# KiCad board gd rev3b.kicad_pcb (continued)
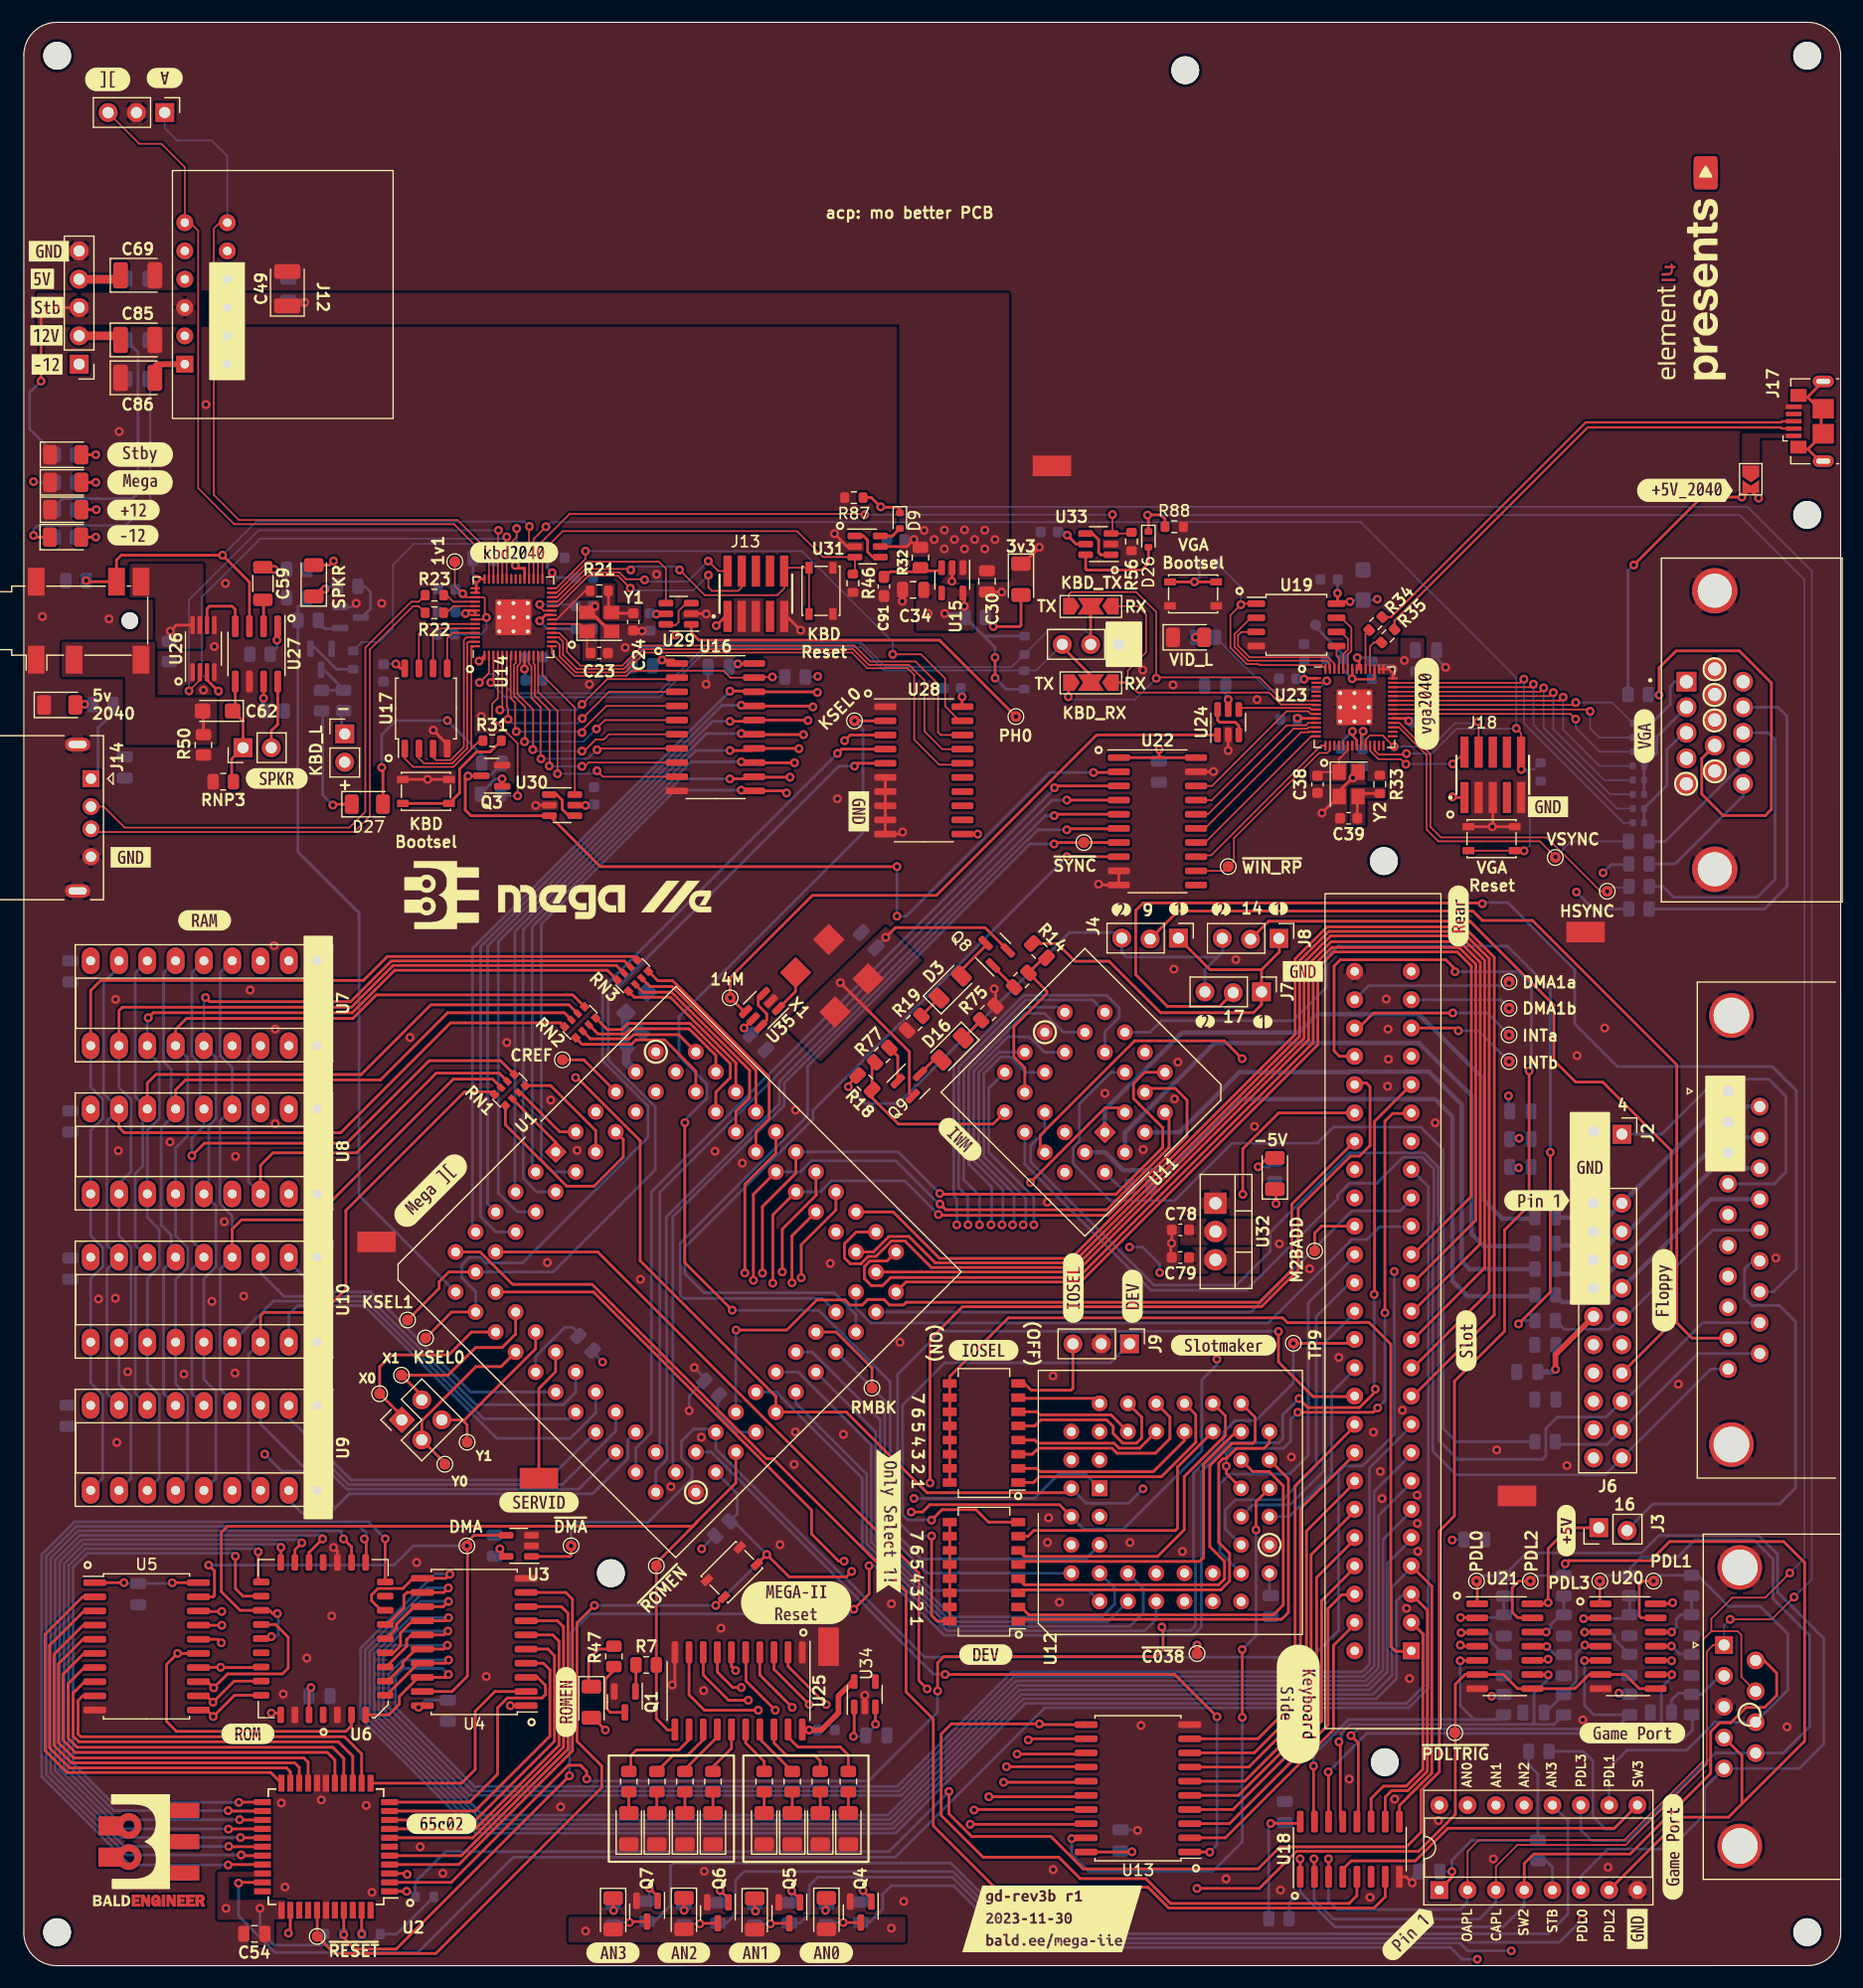
[diagram p0: board, top side]
## Routing (per net, layer and track width the routed paths; a pad name or vN(x,y) marks a point on that pad's centre or on a via; arc(x,y) is an arc through that point) (continued)
/mega-6502/A3: length 30.8
  Top w0.25: U4.6 47.45,29.68 48.02,29.11 48.02,19.78 40.52,12.28 U2.8
/mega-6502/A4: length 28.2
  Top w0.25: U4.5 47.01,28.41 47.02,28.42 47.62,27.82 47.62,20.14 40.55,13.08 U2.9
/mega-6502/A5: length 25.5
  Top w0.25: U2.10 40.48,13.88 47.2,20.6 47.2,26.55 46.62,27.14 U4.4
/mega-6502/A6: length 24.3
  Top w0.25: U4.3 46.09,25.87 46.8,25.16 46.8,24.34 46.49,24.02 43.39,24.02 42.51,23.15 42.51,17.2 39.99,14.68 U2.11
/mega-6502/A7: length 20.4
  Top w0.25: U2.12 39.28,16.38 40.5,17.6 40.5,22.84 42.27,24.6 U4.2
/mega-6502/A8: length 33.5
  Top w0.25: U2.13 30.31,19.01 28.78,20.54 5.12,20.54 4.87,20.79 4.87,23.8 5.29,24.22 6.36,24.22 U5.9
/mega-6502/A9: length 33.6
  Top w0.25: 5.46,25.48 4.42,24.45 4.42,20.61 4.94,20.09 28.22,20.09 29.51,18.8 U2.14
/mega-6502/A10: length 34.7
  Top w0.25: 5.43,26.75 3.97,25.3 3.97,20.42 4.8,19.6 27.72,19.6 28.71,18.61 U2.15
/mega-6502/A11: length 35.8
  Top w0.25: 5.4,28.02 3.52,26.14 3.52,20.24 4.62,19.14 27.23,19.14 27.91,18.46 U2.16
/mega-6502/A12: length 36.5
  Top w0.25: 6.57,29.29 6.49,29.37 6.25,29.37 6.16,29.29 5.32,29.29 3.11,27.09 3.11,20.01 4.48,18.65 25.12,18.65 25.51,18.26 U2.19
/mega-6502/A13: length 36.1
  Top w0.25: 5.34,30.56 2.71,27.94 2.71,19.77 4.29,18.2 24.3,18.2 24.71,17.79 U2.20
/mega-6502/A14: length 37.1
  Top w0.25: 5.41,31.83 2.31,28.73 2.31,19.54 4.1,17.75 23.57,17.75 23.91,17.41 U2.21
/mega-6502/A15: length 38.7
  Top w0.25: U5.2 5.28,33.1 1.91,29.73 1.91,19.3 3.87,17.34 22.15,17.34 U2.22
/mega-6502/AD0: length 28.8
  Bottom w0.25: 23.78,63.17 26.49,60.46 31.13,60.46 40.11,51.47 U1.22
/mega-6502/AD1: length 36.9
  Bottom w0.25: U1.23 49.52,51.44 48.42,50.34 40.58,50.34 30.86,60.06 23.35,60.06 21.24,62.16 U10.3
/mega-6502/AD2: length 37
  Bottom w0.25: U10.15 22.38,59.63 30.71,59.63 41.26,49.08 48.92,49.08 U1.24
/mega-6502/AD3: length 38.1
  Bottom w0.25: U1.25 51.31,49.62 51.33,49.61 49.04,47.32 42.44,47.32 30.53,59.23 24.59,59.23 23.78,58.42 U10.17
/mega-6502/AD4: length 32.3
  Bottom w0.25: 23.78,49.87 23.78,49.17 29.38,43.58 47.01,43.58 U1.26
/mega-6502/AD5: length 39.5
  Bottom w0.25: U1.27 53.11,47.97 48.31,43.18 29.14,43.18 27.48,44.83 25.02,44.83 21.24,48.6 U9.3
/mega-6502/AD6: length 40
  In1.Cu w0.25: U9.15 18.7,45.22 18.69,45.24 19.35,45.9 v1(21.62,45.9)
  Bottom w0.25: U1.28 49.79,42.76 28.98,42.76 27.39,44.36 23.16,44.36 v1(21.62,45.9)
/mega-6502/AD7: length 35.6
  Bottom w0.25: 23.78,41.78 24.93,40.64 27.49,40.64 29.2,42.35 51.04,42.35 54.2,45.51 54.2,47.17 U1.29
/mega-6502/CREF: length 5.9
  Top w0.25: 48.36,81.29 50.24,81.29 U1.79
/mega-6502/DMA: length 48.4
  Top w0.25: 39.75,37.99 40.39,38.62 U3.4 ; 39.81,37.62 39.81,25.99 38.42,24.6 U4.19 ; U5.19 16.99,33.1 17.11,33.23 17.11,35.41 v1(16.58,35.94)
  Bottom w0.25: v1(16.58,35.94) 33.21,35.94 34.94,37.67 v1(39.75,37.67)
/mega-6502/RA0: length 11.2
  Top w0.25: RN2.2 50.83,83.17 54.33,83.17 54.7,83.54 58.76,83.54 U1.74
/mega-6502/RA1: length 14.2
  Top w0.25: RN2.1 50.09,82.68 54.52,82.68 54.92,83.08 57.49,83.08 60.29,80.27 U1.73
/mega-6502/RA2: length 14.4
  Top w0.25: U1.72 62.09,81.67 59.7,84.07 54.47,84.07 53.99,83.6 51.54,83.6 RN2.3
/mega-6502/RA3: length 19.1
  Top w0.25: U1.71 62.09,78.38 63.39,79.68 63.39,80.94 59.78,84.55 54.19,84.55 53.64,84 52.37,84 RN2.4
/mega-6502/RA4: length 14.9
  Top w0.25: U1.70 63.89,81.01 58,86.9 54.78,86.9 RN3.1
/mega-6502/RA5: length 19.5
  Top w0.25: U1.69 63.89,76.65 65.12,77.88 65.12,80.35 58.12,87.35 55.56,87.35 RN3.2
/mega-6502/RA6: length 17.4
  Top w0.25: U1.68 65.68,80.35 58.17,87.87 56.17,87.87 RN3.3
/mega-6502/RA7: length 22
  Top w0.25: U1.67 65.68,74.78 66.88,75.98 66.88,79.73 58.23,88.38 56.89,88.38 RN3.4
/mega-6502/RAF0: length 81.6
  Top w0.25: U8.6 13.62,78.58 14.52,79.48 32,79.48 38.03,85.51 48.49,85.51 RN2.7
  Bottom w0.25: 13.22,77.27 13.22,80.43 12.54,81.1 12.54,89.09 U7.6 ; U10.6 12.54,62.5 12.54,51.35 U9.6 ; 13.22,63.97 13.22,65.57 12.32,66.47 12.32,75.17 13.62,76.47
/mega-6502/RAF1: length 88.3
  Top w0.25: RN2.8 48.17,84.6 38.29,84.6 28.43,74.74 9.02,74.74 8.54,75.21 U8.8
  Bottom w0.25: 8.54,89.62 7.17,88.25 7.17,78.24 U8.8 7.46,75.79 7.46,64.65 U10.8 7.46,62.5 7.46,51.35 U9.8
/mega-6502/RAF2: length 86.2
  Top w0.25: U8.7 11.08,79.19 11.86,79.97 30.27,79.97 36.52,86.22 48.92,86.22 RN2.6
  Bottom w0.25: U9.7 10,51.35 10,56.85 10.02,56.86 10.02,62.51 U10.7 10,64.65 10,71.08 10.68,71.75 10.68,76.47 ; U8.7 10,77.95 10,89.09 U7.7
/mega-6502/RAF3: length 82.5
  Top w0.25: U7.13 13.62,84.02 14.6,85 29.53,85 31.64,87.11 49.26,87.11 RN2.5
  Bottom w0.25: U7.13 14.7,81.47 14.7,74.45 13.62,73.37 U8.13 13.62,65.5 14.7,64.42 14.7,62.63 13.62,61.55 U10.13 13.62,52.2 14.7,51.12 14.7,43.73 U9.13
/mega-6502/RAF4: length 88.8
  Top w0.25: v1(11.17,85.06) 11.62,85.51 29.47,85.51 33.28,89.32 52.36,89.32 RN3.8
  Bottom w0.25: v1(11.17,85.06) 11.08,84.97 U7.12 ; 11.08,82.02 12.16,80.95 12.16,76.02 11.08,74.95 U8.12 11.08,67.14 12.16,66.07 12.16,62.73 11.08,61.65 U10.12 11.08,52.29 12.16,51.22 12.16,43.73 U9.12
/mega-6502/RAF5: length 92.1
  Top w0.25: U7.11 8.54,85.69 8.86,86.01 29.4,86.01 33.15,89.75 53.16,89.75 RN3.7
  Bottom w0.25: 8.54,70.18 9.62,71.26 9.62,77.72 8.54,78.79 U7.11 ; U8.11 8.54,65.5 9.62,64.42 9.62,57.03 U10.11 8.54,52.2 9.62,51.12 9.62,43.73 U9.11
/mega-6502/RAF6: length 86.4
  Top w0.25: RN3.6 53.89,90.16 32.98,90.16 29.32,86.5 16.69,86.5 v1(16.31,86.88)
  Bottom w0.25: 16.6,69.69 16.6,75.38 17.24,76.02 17.24,81.47 U7.14 16.16,86.73 v1(16.31,86.88) ; U8.14 17.24,68.17 17.24,62.73 16.16,61.65 U10.14 16.16,52.6 17.24,51.53 17.24,43.73 U9.14
/mega-6502/RAF7: length 98
  Top w0.25: RN3.5 54.71,90.56 32.62,90.56 30.47,88.41 6.91,88.41 6,87.5 U7.10
  Bottom w0.25: U7.10 6,78.84 7.08,77.77 7.08,76.02 6,74.95 U8.10 6,65.5 7.08,64.42 7.08,62.73 6,61.65 U10.10 6,52.29 7.08,51.22 7.08,43.73 U9.10
/mega-6502/RGB1: length 78.2
  Top w0.25: v1(93.58,101.92) 93.67,102.01 98.21,102.01
  Bottom w0.25: v1(93.58,101.92) 90.98,101.92 90.11,101.05 90.09,101.05 68.22,79.18 68.22,77.18 58.24,67.2 58.24,44.55
/mega-6502/RGB2: length 81.9
  Top w0.25: U22.5 92.57,103.32 v1(92.44,103.19)
  Bottom w0.25: v1(92.44,103.19) 91.64,103.19 67.8,79.35 67.8,77.33 57.65,67.18 57.65,58.1 57.69,58.05 57.69,45.41 56.7,44.42 U1.32
/mega-6502/RGB4: length 78.7
  Top w0.25: v1(93.58,104.59) U22.4
  Bottom w0.25: v1(93.58,104.59) 92.24,104.59 67.76,80.11 67.76,80.09 57.06,69.39 57.06,46.44
/mega-6502/RGB8: length 82.8
  Top w0.25: v1(92.47,105.7) 92.64,105.86 U22.3
  Bottom w0.25: v1(92.47,105.7) 92.47,105.6 56.3,69.43 56.3,47.82 54.91,46.42 U1.30
/mega-6502/RMBK: length 8.2
  Top w0.25: TP3.1 76.1,53.63 72.87,56.86 U1.48
/mega-6502/SERVID: length 11.9
  Top w0.25: TP18.1 46.22,51.8 47.72,53.3 U1.21
/mega-6502/X0: length 16.9
  Top w0.25: U1.16 40.17,56.86 38.12,54.81 33,54.81 31.93,53.74 TP12.1 33.91,49.34
/mega-6502/X1: length 16.3
  Top w0.25: 35.71,51.16 TP13.1 38.06,52.99 40.53,55.46 42.91,55.46 44.13,56.68 U1.17
/mega-6502/Y0: length 15.6
  Top w0.25: U1.18 42.82,53.76 40.58,53.76 35.71,48.89 J1.3 37.78,45.11
/mega-6502/Y1: length 14.8
  Top w0.25: TP15.1 39.78,48.53 39.33,48.98 ; 39.33,48.98 39.55,48.98 45.93,55.36 U1.19 ; 39.33,48.98 J1.4
/mega-6502/~{CASA.B}: length 50.1
  Top w0.25: RN1.8 41.98,78.41 39.54,78.41 28.9,67.77 28.9,60.72 26.8,58.62 21.53,58.62 21.24,58.33 U10.16
  Bottom w0.25: U9.16 20.16,43.73 20.16,54.88 U10.16
/mega-6502/~{CASA}: length 18.2
  Top w0.25: RN1.1 43.21,75.46 48.72,69.95 51.17,69.95 53.79,72.57 53.79,74.14 U1.82
/mega-6502/~{CASM.B}: length 42.6
  Top w0.25: U8.16 21.24,71.82 22.36,72.94 29.86,72.94 37.01,80.09 42.66,80.09 RN1.6
  Bottom w0.25: U8.16 20.16,70.33 20.16,81.47 U7.16
/mega-6502/~{CASM}: length 6.4
  Top w0.25: U1.83 48.08,74.82 44.55,78.36
/mega-6502/~{KSEL0}: length 116.8
  Top w0.25: v1(63.56,58.82) 59.31,63.08 59.31,75.64 ; U28.2 v1(74.53,111.7)
  Bottom w0.25: v1(74.53,111.7) 75.29,110.94 75.29,101.67 58.78,85.16 58.78,81.6 61.28,79.1 61.28,77.83 59.32,75.87 v1(59.32,75.65) ; U12.5 95.25,36.49 80.53,36.49 77.73,39.29 77.73,52.4 71.32,58.81 63.58,58.81 v1(63.56,58.82)
/mega-6502/~{KSEL1}: length 79
  Top w0.25: U1.13 38.14,62.25 37.27,61.38 37.27,60.77 TP11.1 ; v1(74.53,107.64) 74.79,107.89 U28.5
  Bottom w0.25: U1.13 47.5,62.25 56.66,71.41 56.66,77.06 52.43,81.28 52.43,86.93 73.14,107.64 v1(74.53,107.64)
/mega-6502/~{KSEL2}: length 81.4
  Top w0.25: U1.14 38.38,58.66 TP10.1 ; U28.4 73.39,109.16 v1(73.01,108.78)
  Bottom w0.25: U1.14 40.54,60.49 39.3,61.73 39.3,62.86 40,63.56 40.99,63.56 41.49,63.06 44.75,63.06 56.01,74.32 56.01,77.14 51.93,81.22 51.93,87.7 v1(73.01,108.78)
/mega-6502/~{M2SEL}: length 5.7
  Bottom w0.25: U1.39 63.94,47.88 62.26,49.56 62.26,51.09
/mega-6502/~{MSW}: length 6.5
  Bottom w0.25: U1.20 45.93,54.67 48.54,57.28 49.24,57.28 49.75,56.76
/mega-6502/~{RAMWE}: length 6.4
  Top w0.25: RN1.2 47.72,73.89 U1.1
/mega-6502/~{RAS.B}: length 74.7
  Top w0.25: v1(15.08,72.68) 16.21,73.81 28.98,73.81 36.38,81.21 42.77,81.21 RN1.5
  Bottom w0.25: U9.5 15.08,51.35 15.08,62.5 U10.5 ; 16.16,63.97 15.08,65.05 v1(15.08,72.68) 15.08,74.27 16.16,75.34 U8.5 ; 15.84,77.2 15.84,80.9 15.08,81.65 15.08,89.09 U7.5
/mega-6502/~{RAS}: length 9.9
  Top w0.25: U1.84 51.31,74.93 47.27,78.97 RN1.4
/mega-6502/~{RWE.B}: length 74.7
  Top w0.25: RN1.7 42.07,79.55 38.54,79.55 25.92,66.93 19.54,66.93 18.7,66.09 18.7,66.08 U10.4
  Bottom w0.25: U7.4 17.62,89.09 17.62,81.65 18.7,80.58 U8.4 17.6,75.77 17.6,68.38 18.7,67.28 U10.4 17.62,62.5 17.62,51.75 18.7,50.67
/mega-6502/~{SYNC}: length 76.1
  Top w0.25: v1(92.44,100.65) 92.57,100.78 U22.7
  Bottom w0.25: v1(92.44,100.65) 90.26,100.65 70.32,80.71 70.32,76.26 58.9,64.84 58.9,60.11 59.14,59.88 71.65,59.88 U1.50
/mega-6502/~{WINDOW}: length 74.7
  Top w0.25: U22.8 v1(93.58,99.51)
  Bottom w0.25: U1.49 74.66,58.43 72.71,60.39 61.04,60.39 59.3,62.12 59.3,64.45 70.81,75.95 70.81,76.73 v1(93.58,99.51)
/power/Analog_Pwr: length 68.1
  Top w0.152: 17.57,156.4 17.05,155.88 17.05,131.98 19.31,129.72 38.91,129.72 42.13,126.49 U14.40
  Bottom w0.152: J16.1 12.65,164.88 13.75,163.77 16.85,163.77 18.26,162.37 J12.12
/power/Mega_Pwr: length 68.5
  Top w0.152: J12.11 14.45,161.38 12.35,163.48 10.37,163.48 J16.3 ; U14.41 41.73,126.21 38.6,129.35 18.88,129.35 15.65,132.58 15.65,155.68 14.92,156.4
/rp2040-keyboard/D0: length 21.9
  Top w0.152: v1(42.71,112.67) 42.93,112.89 U14.5 ; 58.46,115.44 52.34,115.44 v1(50.08,113.18)
  Bottom w0.152: v1(42.71,112.67) 49.57,112.67 v1(50.08,113.18)
/rp2040-keyboard/D1: length 22.2
  Top w0.152: 43.44,111.84 43.44,112.83 43.33,112.93 U14.6 ; v1(50.11,111.91) 52.51,114.3 58.6,114.3
  Bottom w0.152: v1(50.11,111.91) 49.69,111.49 43.79,111.49 43.44,111.84
  vias: v1(43.45,111.84)
/rp2040-keyboard/D2: length 22.7
  Top w0.152: 50.09,110.64 50.09,110.85 52.27,113.03 U16.4 ; U14.7 43.68,117.5 43.68,113.74 44.09,113.32 44.09,110.74
  Bottom w0.152: 50.09,110.64 49.99,110.74 44.09,110.74
  vias: v1(44.19,110.74) v1(50.08,110.64)
/rp2040-keyboard/D3: length 22.6
  Top w0.152: 51.26,110.88 52.14,111.76 U16.5 ; 44.98,109.83 44.98,112.93 43.98,113.93 43.98,116.73 44.13,116.88 U14.8
  Bottom w0.152: 51.26,110.88 50.2,109.83 44.98,109.83
  vias: v1(44.93,109.83) v1(51.38,110.97)
/rp2040-keyboard/D4: length 22.7
  Top w0.152: 45.7,109.12 45.7,112.71 44.29,114.12 44.29,116.61 44.53,116.85 U14.9 ; 50.27,108.98 51.31,110.02 52.03,110.02 52.51,110.49 U16.6
  Bottom w0.152: 45.7,109.12 45.84,108.98 50.27,108.98
  vias: v1(45.67,109.12) v1(50.08,108.98)
/rp2040-keyboard/D5: length 22.3
  Top w0.152: 51.43,109.12 51.54,109.22 U16.7 ; 46.36,108.29 46.36,112.93 45.54,113.75 45.54,116.61 45.33,116.82 45.33,117.55
  Bottom w0.152: 51.43,109.12 50.61,108.3 46.37,108.3
  vias: v1(46.4,108.29) v1(51.43,109.1)
/rp2040-keyboard/D6: length 22.1
  Top w0.152: 50.34,107.62 50.68,107.95 U16.8 ; 47.17,107.65 47.17,112.65 45.85,113.97 45.85,116.73 45.73,116.85 U14.12
  Bottom w0.152: 47.17,107.65 47.2,107.62 50.34,107.62
  vias: v1(47.14,107.65) v1(50.08,107.62)
/rp2040-keyboard/D7: length 22.4
  Top w0.152: v1(47.88,106.95) 47.88,112.57 46.15,114.3 46.15,117.54 ; v1(51.43,107.22) 51.97,106.68 58.6,106.68
  Bottom w0.152: v1(47.88,106.95) 51.16,106.95 v1(51.43,107.22)
/rp2040-keyboard/D_N: length 2.8
  Top w0.152: 40.49,122.39 38.54,122.39 37.95,122.98
/rp2040-keyboard/D_P: length 2.8
  Top w0.152: U14.47 38.54,121.99 37.94,121.4
/rp2040-keyboard/kbd_LED: length 28.1
  Top w0.152: v1(44.22,128.95) 44.22,128.18 43.32,127.28 43.32,124.44 U14.37
  Bottom w0.152: R84.2 30.35,118.78 31.95,118.78 33.12,119.95 33.12,125.7 35,127.58 43.97,127.58 44.22,127.83 v1(44.22,128.95)
/rp2040-keyboard/KBD_QSPI_SCLK: length 7
  Top w0.152: U14.52 37.26,119.99 36.71,119.44 36.71,116.41
/rp2040-keyboard/KBD_QSPI_SD0: length 5.4
  Top w0.152: U14.53 38.47,119.59 37.99,119.11 U17.5
/rp2040-keyboard/KBD_QSPI_SD1: length 16.2
  Top w0.152: U14.55 39.9,118.79 39.78,118.67 39.78,109.23 38.42,107.87 35.91,107.87 35.45,108.34 U17.2
/rp2040-keyboard/KBD_QSPI_SD2: length 14.8
  Top w0.152: U14.54 39.71,119.19 39.48,118.96 39.48,109.36 38.29,108.18 37,108.18 36.72,108.46 U17.3
/rp2040-keyboard/KBD_QSPI_SD3: length 8.5
  Top w0.152: U14.51 36.33,120.39 35.45,119.51 U17.7
/rp2040-keyboard/KBD_QSPI_SS: length 18.2
  Top w0.152: 40.9,109.92 38.55,107.57 34.93,107.57 34.18,108.32 U17.1 ; 40.15,109.17 40.15,118.2 40.34,118.39
/rp2040-keyboard/KBD_RUN: length 31
  Top w0.152: J13.10 68.22,123.59 67.6,122.98 61.1,122.98 v1(58.83,125.24) ; v1(54.46,125.24) 54.37,125.33 50.37,125.33 47.83,122.79 U14.26 ; 68.52,125.43 SW4.2 SW4.2
  Bottom w0.152: v1(58.83,125.24) 58.54,125.54 54.76,125.54 v1(54.46,125.24)
/rp2040-keyboard/KBD_XIN: length 5.1
  Top w0.152: U14.20 49.86,120.39 Y1.1 50.53,118.1
/rp2040-keyboard/KBD_XOUT: length 4.5
  Top w0.152: U14.21 47.8,120.79 50.38,123.37 R21.1
/rp2040-keyboard/PH0rp: length 14.7
  Top w0.152: U29.4 57.61,125.35 56.99,125.98 50.59,125.98 47.8,123.19 U14.27
/rp2040-keyboard/RESET_CTL: length 15.1
  Top w0.152: U14.4 42.53,113.74 42.02,113.22 42.02,111.95 44.31,109.67 v1(44.31,104.97)
  Bottom w0.152: v1(44.31,104.97) 42.93,104.97
/rp2040-keyboard/RWrp: length 45.3
  Top w0.152: U28.18 82.28,110.43 82.03,110.68 82.03,115 80,117.03 75.94,117.03 74.52,118.45 55.49,118.45 53.69,116.65 49.95,116.65 48.73,117.87 48.73,118.89 48.03,119.59 U14.18
/rp2040-keyboard/SW0_OAPL_3v3: length 59.1
  Top w0.152: U14.30 46.13,127.42 48.97,130.26 75.4,130.26 v1(75.46,130.2) ; U33.3 99.28,128.51 ; 97.68,128.58 v1(97.68,130.21)
  Bottom w0.152: v1(97.68,130.21) 97.67,130.2 v1(75.46,130.2)
/rp2040-keyboard/SW1_CAPL_3v3: length 33.6
  Top w0.152: 74.6,126.4 71.7,126.4 69.38,128.72 48.36,128.72 46.53,126.89 U14.29 ; U31.3 74.57,125.05
/rp2040-keyboard/SWCLK: length 22.1
  Top w0.152: v1(61.42,124.77) 61.42,123.67 61.74,123.36 64.08,123.36 64.41,123.69 J13.04 ; U14.24 47.93,121.99 48.24,122.31 50.65,124.72 53.3,124.72 v1(54.43,123.59)
  Bottom w0.152: v1(54.43,123.59) 54.62,123.4 60.05,123.4 v1(61.42,124.77)
/rp2040-keyboard/SWD: length 18.3
  Top w0.152: U14.25 47.9,122.39 50.52,125.02 53.43,125.02 54.05,124.4 55.65,124.4 v1(55.7,124.35) ; J13.02 62.31,125.14 v1(61.41,126.03)
  Bottom w0.152: v1(55.7,124.35) 55.86,124.2 59.58,124.2 v1(61.41,126.03)
/rp2040-keyboard/USB_D+: length 47.1
  Top w0.152: R22.1 35.43,121.99 34.94,121.99 31.05,118.09 31.05,103.14 29.63,101.72 6.31,101.72
/rp2040-keyboard/USB_D-: length 48
  Top w0.152: R23.1 35.43,122.39 34.77,122.39 30.64,118.26 30.64,103.55 29.21,102.12 9.05,102.12 7.17,104.01 J14.2
/rp2040-keyboard/VID_EN: length 135.8
  Top w0.152: J18.10 134.34,110.6 v1(133.91,111.03) ; v1(46.85,129.12) 45.73,128 U14.31 ; v1(134.61,100.04) 134.59,100.05 SW7.2 129.61,100.05 ; v1(124.06,108.76) 123.98,108.68 121.56,108.68 121.19,109.05 U23.26 ; v1(134.36,107.34) 134.36,108.87
  Bottom w0.152: R79.1 135.49,107.34 v1(134.36,107.34) 134.66,107.34 135.14,106.85 135.14,100.57 v1(134.61,100.04) ; v1(46.85,129.12) 47.26,129.53 119.94,129.53 133.91,115.56 v1(133.91,111.03) 133.88,111 128.56,111 126.32,108.76 v1(124.06,108.76)
/rp2040-keyboard/~{245_EN}: length 22.8
  Top w0.152: v1(67.17,115.64) 65.59,115.64 ; U14.15 47.37,117.75 49.39,115.74 52.21,115.74 52.22,115.74 54.08,115.74 54.54,116.2 62.77,116.2 63.39,115.57 U16.19
  Bottom w0.152: R25.2 v1(67.17,115.64)
/rp2040-keyboard/~{KSEL0rp}: length 47
  Top w0.152: v1(77.96,117.67) 80.5,117.67 82.66,115.51 82.66,113 84.09,111.57 ; U14.28 47.77,123.59 50.39,126.21 v1(50.39,126.92)
  Bottom w0.152: v1(50.39,126.92) 69.82,126.92 77.96,118.78 v1(77.96,117.67)
/rp2040-keyboard/~{KSEL1rp}: length 46.8
  Top w0.152: U14.16 47.8,118.79 48.08,118.52 48.08,117.49 49.52,116.05 53.94,116.05 55.72,117.82 74.29,117.82 75.69,116.42 79.29,116.42 79.89,115.82 79.89,110.01 82.13,107.76 84.09,107.76
/rp2040-keyboard/~{KSEL2rp}: length 45.9
  Top w0.152: U28.17 82.41,109.16 80.8,110.77 80.8,115.34 79.42,116.72 75.82,116.72 74.41,118.13 55.6,118.13 53.82,116.35 49.65,116.35 48.38,117.61 48.38,118.81 48,119.19 U14.17
/rp2040-keyboard/~{PH0}: length 3.2
  Top w0.152: 59.44,122.26 58.75,121.56 58.75,120.54 58.49,120.29 57.67,120.29
/rp2040-keyboard/~{RESETrp}: length 13.7
  Top w0.152: U14.14 46.53,115.79 49.44,112.89 U30.6
/Slot/AN0: length 114.3
  In1.Cu w0.25: v1(130.41,0.57) 130.61,0.78 130.61,13.33 J11.15 122.11,21.84 110.73,21.84 107.07,25.5 105.49,25.5 103.15,27.84 103.15,34.23 U12.14
  Bottom w0.25: v1(130.41,0.57) 129.06,0.57 128,1.64 88.96,1.64 83.42,7.18 77.83,7.18 77.07,6.42 77.07,5.08 75.87,3.88 R57.2
/Slot/AN1: length 120.5
  In1.Cu w0.25: U12.15 106.68,27.16 111.16,22.69 123.8,22.69 J11.14 133.46,13.02 v1(133.46,1.34)
  Bottom w0.25: R61.2 69.66,3.83 70.47,4.64 70.47,7.18 71.23,7.94 83.31,7.94 89.21,2.04 128.84,2.04 129.55,1.34 v1(133.46,1.34)
/Slot/AN2: length 137.1
  In1.Cu w0.25: U12.16 107.71,34.19 107.71,28.36 112.58,23.49 125.54,23.49 J11.13 134.62,12.88 138.23,9.26 138.23,5.71 v1(139.81,4.13)
  Bottom w0.25: v1(139.81,4.13) 137.78,2.1 129.69,2.1 129.35,2.44 89.37,2.44 83.37,8.45 64.63,8.45 63.86,7.69 63.86,4.64 63.06,3.83 R65.2
/Slot/AN3: length 137.3
  In1.Cu w0.25: 137.16,15.04 127.36,24.84 114.61,24.84 109.22,30.22 U12.17
  Bottom w0.25: J11.12 138.54,13.02 138.54,4.64 136.76,2.86 89.52,2.86 83.17,9.21 58.28,9.21 58.02,8.96 58.02,5.4 56.6,3.98 R67.2
/Slot/B7M: length 37.6
  Bottom w0.25: U12.19 107.3,37.14 107.3,43.22 108.19,44.11 113.56,44.11 115.24,45.79 115.24,59.49 119.52,63.77
/Slot/BPH0: length 17.5
  Bottom w0.25: 119.52,53.61 117.33,51.42 117.33,44.12 113.51,40.3 U12.22
/Slot/BPH1: length 24.6
  Bottom w0.25: U12.23 110.28,41.35 113.6,41.35 116.63,44.38 116.63,55.79 119.52,58.69
/Slot/BQ3: length 31.2
  Bottom w0.25: 118.94,61.23 115.96,58.25 115.96,44.82 112.95,41.8 108.71,41.8 107.8,40.9 107.8,39.18 U12.21
/Slot/DMA1a: length 14.5
  Bottom w0.25: J10.27 120.67,87.94 133.01,87.94 v1(133.26,88.19)
/Slot/DMA1b: length 9.1
  Bottom w0.25: J10.24 132.48,86.68 v1(133.26,85.9)
/Slot/INTa: length 14.7
  Top w0.25: v1(128.21,85.49) 121.11,85.49 119.91,84.29
  Bottom w0.25: v1(128.21,85.49) 131.29,85.49 v1(133.26,83.52)
/Slot/INTb: length 10
  Top w0.25: v1(128.71,83.89) 128.46,84.14 J10.23
  Bottom w0.25: v1(133.26,81.14) 130.51,83.89 v1(128.71,83.89)
/Slot/M2BADD_(NC): length 5.4
  Top w0.25: TP8.1 115.82,65.73 116.44,66.36 116.45,66.36 J10.35
/Slot/MDI-MDO: length 70.8
  Top w0.25: v1(106.41,10.19) 106.39,10.2 U13.1 ; v1(82.66,26.14) 103.26,26.14 v1(107.06,22.34)
  Bottom w0.25: v1(82.66,26.14) 82.63,26.17 81.61,26.17 61.69,46.08 U1.36 ; v1(107.06,22.34) 107.06,10.84 v1(106.41,10.19)
/Slot/PH0: length 343.8
  Top w0.25: U29.1 59.88,119.62 60.56,118.94 82.15,118.94 v1(89.01,112.08) ; U28.11 v1(85.58,101.54) ; U2.35 23.91,3.09 v1(23.75,2.92)
  In1.Cu w0.25: v1(89.01,112.08) 89.01,104.97 81.39,97.35 69.45,97.35 51.31,79.21 U1.81 41.84,76.62 30.52,65.3 30.52,44.03 33.36,41.19 33.36,36.51 32.9,36.06 17.56,36.06 16.9,36.72 6.98,36.72 5.11,34.84 5.11,5.31 8.49,1.94 22.76,1.94 v1(23.75,2.92) 25.69,0.98 76.46,0.98 80.37,4.89 80.37,41.42 v1(79.87,41.93)
  Bottom w0.25: U12.1 95.26,44.1 92.85,44.1 90.68,41.93 v1(79.87,41.93)
/Slot/RW: length 343.3
  Top w0.25: 93.58,42.44 81.04,42.44 73.81,49.67 U1.41 67.48,51.07 55.3,63.25 55.3,74.03 49.64,79.69 v1(49.51,79.69) ; U2.32 19.33,7.48 v1(19.27,7.41) ; U28.3 74.15,110.43 v1(73.64,109.92)
  In1.Cu w0.25: v1(100.42,42.8) 103.14,45.52 103.14,51.98 103.01,51.98 100.42,54.57 100.42,67.51 105.67,72.76 123.16,72.76 J10.18 ; v1(73.64,109.92) 73.77,109.79 73.77,102.45 51,79.69 v1(49.51,79.69)
  Bottom w0.25: J10.18 126.02,69.91 126.02,24.91 124.25,23.14 91.6,23.14 78.2,9.74 43.91,9.74 35.36,1.19 22.55,1.19 19.27,4.47 v1(19.27,7.41) ; U12.44 95.33,41.49 99.11,41.49 v1(100.42,42.8)
/Slot/S0: length 50.4
  Bottom w0.25: U1.42 67.5,51.47 75.23,43.74 75.23,37.69 82.86,30.05 100.56,30.05 101.6,31.1 U12.11
/Slot/S1: length 48.8
  Bottom w0.25: U12.10 100.44,33.84 100.44,31.66 99.24,30.46 83.03,30.46 75.63,37.85 75.63,44.11 69.27,50.47 U1.43
/Slot/S2: length 46.7
  Bottom w0.25: U12.9 97.24,30.86 83.19,30.86 76.03,38.02 76.03,46.71 69.48,53.27 U1.44
/Slot/S3: length 45.4
  Bottom w0.25: U1.45 76.43,47.9 76.43,38.19 83.33,31.3 96.74,31.3 97.87,32.43 97.87,33.87 U12.8
/Slot/S4: length 42.7
  Bottom w0.25: U1.46 70.74,55.06 76.84,48.97 76.84,38.35 81.52,33.67 95.53,33.67 U12.7
/Slot/S5: length 36.2
  Bottom w0.25: U12.6 81.04,35.22 77.24,39.02 77.24,50.72 72.9,55.06
/Slot/SDBUS0: length 27.3
  Top w0.25: 119.52,30.75 117.51,28.74 117.51,21.18 107.8,11.47 U13.2
/Slot/SDBUS1: length 29.5
  Top w0.25: 119.52,33.29 118.26,33.29 117.01,32.04 117.01,21.6 108.16,12.74 U13.3
/Slot/SDBUS2: length 30.3
  Top w0.25: 119.52,35.83 116.44,32.75 116.44,21.97 108.49,14.01 U13.4
/Slot/SDBUS3: length 31.8
  Top w0.25: U13.5 108.97,15.28 115.99,22.3 115.99,34.84 119.52,38.37
/Slot/SDBUS4: length 33.4
  Top w0.25: 119.52,40.91 115.49,36.88 115.49,22.51 109.54,16.55 U13.6
/Slot/SDBUS5: length 34.9
  Top w0.25: U13.7 109.91,17.82 115.08,22.99 115.08,39 119.52,43.45
/Slot/SDBUS6: length 36.5
  Top w0.25: 119.52,45.99 114.54,41.01 114.54,23.24 110.39,19.09 U13.8
/Slot/SDBUS7: length 37.9
  Top w0.25: 119.52,48.53 114.06,43.07 114.06,23.7 110.72,20.36 U13.9
/Slot/SYNC_6502: length 122.9
  Top w0.25: TP9.1 119.06,55.85 ; v1(102.11,30.39) 102.22,30.27 102.22,28.37 101.58,27.74 82.55,27.74 81.98,27.17 v1(81.98,24.65) ; U2.2 38.35,7.48 48.86,17.99 49.96,17.99 50.51,17.44 v1(50.51,16.76)
  Bottom w0.25: v1(50.51,16.76) 50.69,16.58 75.8,16.58 81.98,22.76 v1(81.98,24.65) ; v1(102.11,30.39) 102.41,30.09 104.71,30.09 105.13,30.51 105.13,36.26 104.96,36.44 104.96,44.24 107.67,46.95 107.67,47.9 108.68,48.91 110.53,48.91 113.91,52.29 v1(113.91,55.84)
/Slot/~{C038}: length 5.1
  Top w0.25: v1(105.27,28.77) TP16.1
  In1.Cu w0.25: U12.13 104.14,29.89 v1(105.27,28.77)
/Slot/~{DEV1}: length 38.7
  Top w0.25: U12.26 113.46,43.68 113.46,31.69 112.86,31.09 89.4,31.09
/Slot/~{DEV2}: length 39.6
  Top w0.25: U12.27 110.26,44.34 111.72,44.34 113,43.06 113,32.37 112.12,31.49 90.17,31.49 89.47,32.18
/Slot/~{DEV3}: length 36.7
  Top w0.25: SW2.3 89.5,33.73 107.4,33.73 108.19,34.52 108.19,37 107.21,37.98 107.21,45.11 107.61,45.51 107.88,45.51 108.79,46.41 111.26,46.41 111.76,46.91 U12.28
/Slot/~{DEV4}: length 38.6
  Top w0.25: U12.29 110.48,49.2 110.48,47.08 110.27,46.86 108.4,46.86 106.41,44.87 106.41,37.6 107.74,36.27 107.74,34.7 107.21,34.18 89.77,34.18 SW2.4
/Slot/~{DEV5}: length 29.4
  Top w0.25: 108.78,47.92 105.85,44.99 105.85,36.63 105.5,36.27 89.51,36.27 SW2.5
/Slot/~{DEV6}: length 29.4
  Top w0.25: SW2.6 89.77,36.72 101.72,36.72 104.12,39.12 104.12,43.89 107.81,47.58 107.81,49.33 U12.31
/Slot/~{DEV7}: length 24.6
  Top w0.25: U12.32 103.51,44.75 103.51,39.25 103.31,39.05 90.62,39.05 90.1,38.53 SW2.7